# KiCad board led_mapper_850.kicad_pcb (continued)
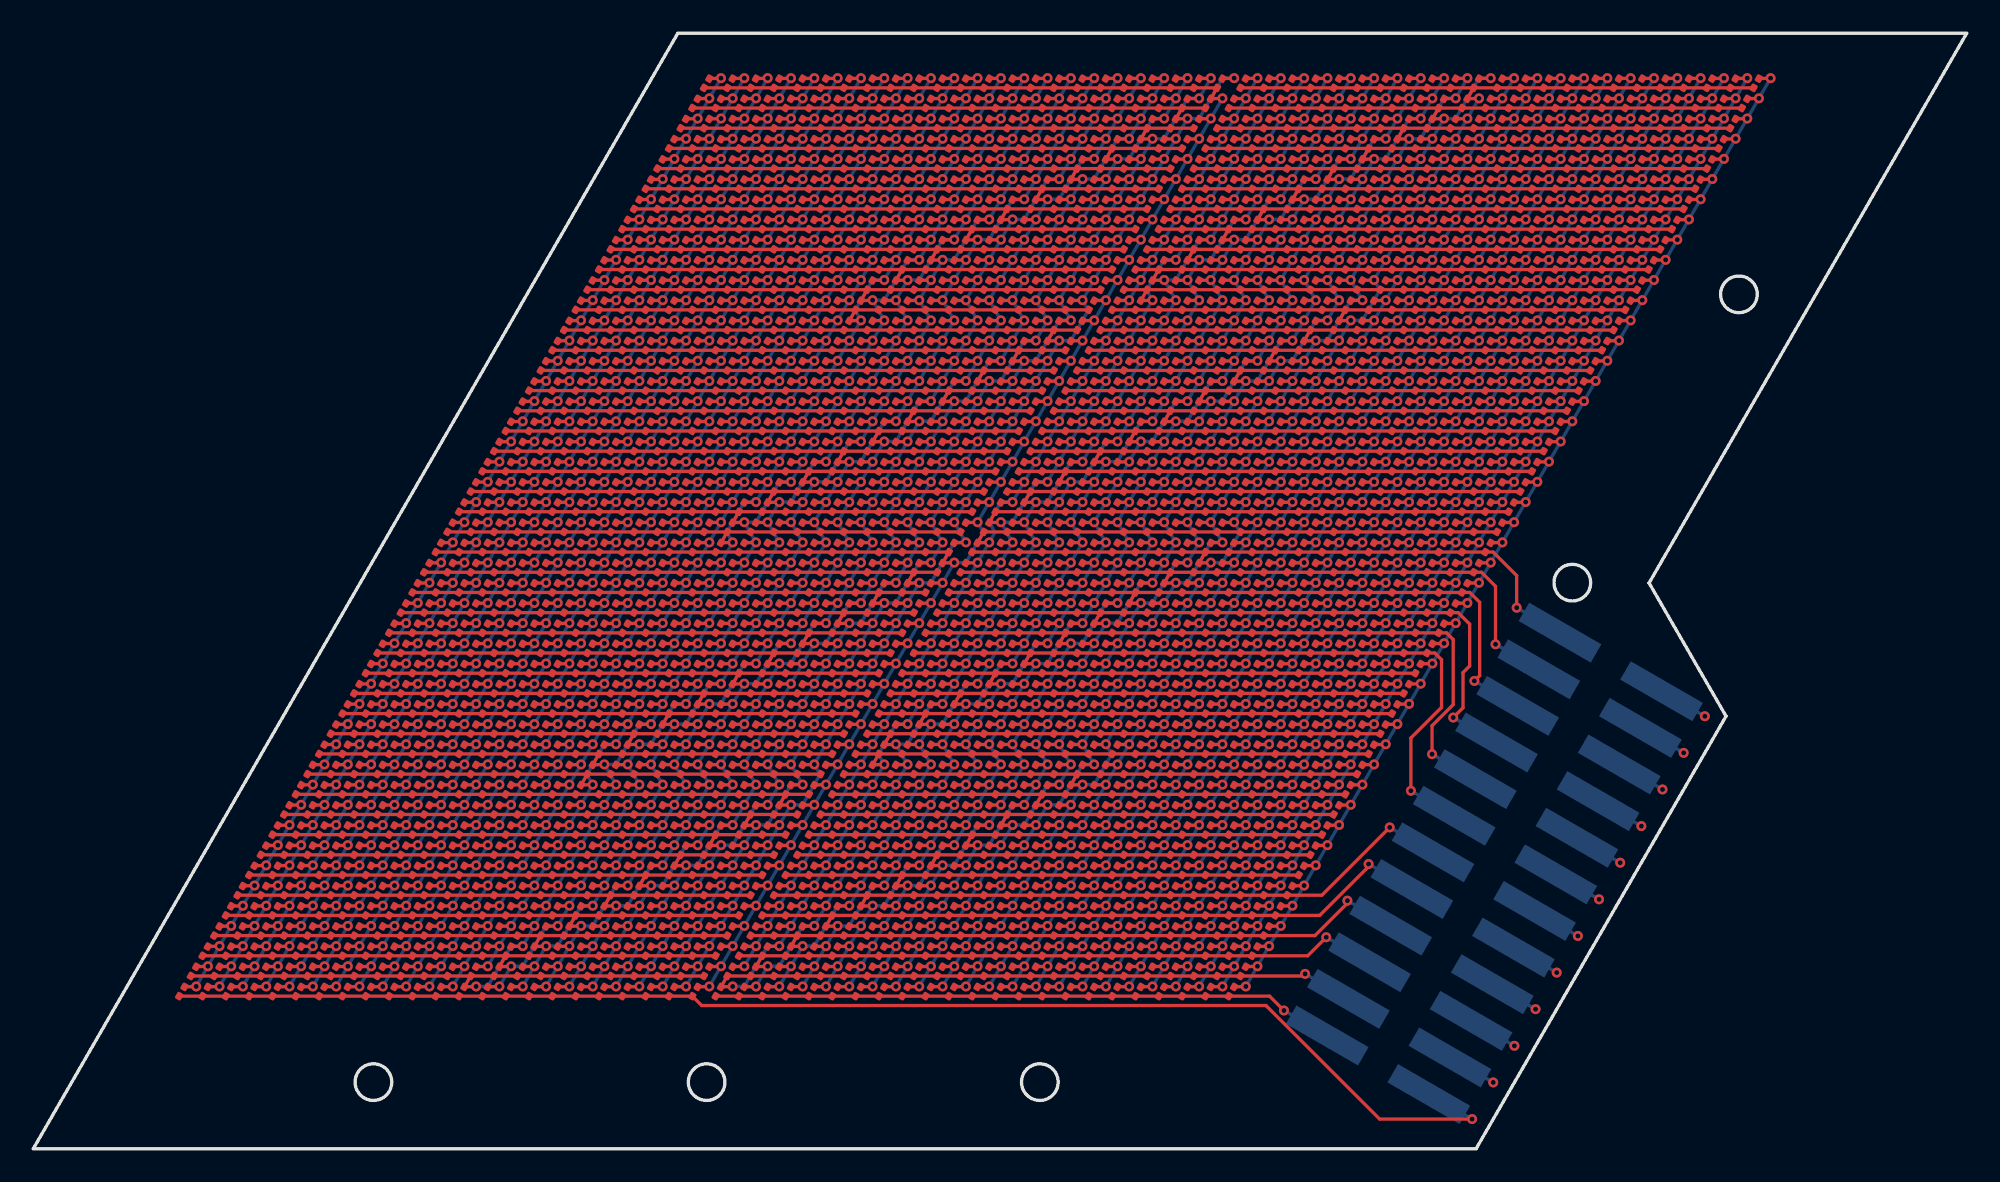
[diagram p0: board, top side]
## Placement (name value [footprint] x y rotation side) (continued)
D788  LED  [LED_0201_0603Metric_XINGLIGHT]  52.31 43.39 60 top
D789  LED  [LED_0201_0603Metric_XINGLIGHT]  50.91 43.39 60 top
D790  LED  [LED_0201_0603Metric_XINGLIGHT]  49.51 43.39 60 top
D791  LED  [LED_0201_0603Metric_XINGLIGHT]  48.11 43.39 60 top
D792  LED  [LED_0201_0603Metric_XINGLIGHT]  46.71 43.39 60 top
D793  LED  [LED_0201_0603Metric_XINGLIGHT]  45.31 43.39 60 top
D794  LED  [LED_0201_0603Metric_XINGLIGHT]  43.91 43.39 60 top
D795  LED  [LED_0201_0603Metric_XINGLIGHT]  42.51 43.39 60 top
D796  LED  [LED_0201_0603Metric_XINGLIGHT]  41.11 43.39 60 top
D797  LED  [LED_0201_0603Metric_XINGLIGHT]  39.71 43.39 60 top
D798  LED  [LED_0201_0603Metric_XINGLIGHT]  38.31 43.39 60 top
D799  LED  [LED_0201_0603Metric_XINGLIGHT]  36.91 43.39 60 top
D800  LED  [LED_0201_0603Metric_XINGLIGHT]  35.51 43.39 60 top
D801  LED  [LED_0201_0603Metric_XINGLIGHT]  34.11 43.39 60 top
D802  LED  [LED_0201_0603Metric_XINGLIGHT]  32.71 43.39 60 top
D803  LED  [LED_0201_0603Metric_XINGLIGHT]  31.31 43.39 60 top
D804  LED  [LED_0201_0603Metric_XINGLIGHT]  29.91 43.39 60 top
D805  LED  [LED_0201_0603Metric_XINGLIGHT]  28.51 43.39 60 top
D806  LED  [LED_0201_0603Metric_XINGLIGHT]  92.21 44.6 60 top
D807  LED  [LED_0201_0603Metric_XINGLIGHT]  90.81 44.6 60 top
D808  LED  [LED_0201_0603Metric_XINGLIGHT]  89.41 44.6 60 top
D809  LED  [LED_0201_0603Metric_XINGLIGHT]  88.01 44.6 60 top
D810  LED  [LED_0201_0603Metric_XINGLIGHT]  86.61 44.6 60 top
D811  LED  [LED_0201_0603Metric_XINGLIGHT]  85.21 44.6 60 top
D812  LED  [LED_0201_0603Metric_XINGLIGHT]  83.81 44.6 60 top
D813  LED  [LED_0201_0603Metric_XINGLIGHT]  82.41 44.6 60 top
D814  LED  [LED_0201_0603Metric_XINGLIGHT]  81.01 44.6 60 top
D815  LED  [LED_0201_0603Metric_XINGLIGHT]  79.61 44.6 60 top
D816  LED  [LED_0201_0603Metric_XINGLIGHT]  78.21 44.6 60 top
D817  LED  [LED_0201_0603Metric_XINGLIGHT]  76.81 44.6 60 top
D818  LED  [LED_0201_0603Metric_XINGLIGHT]  75.41 44.6 60 top
D819  LED  [LED_0201_0603Metric_XINGLIGHT]  74.01 44.6 60 top
D820  LED  [LED_0201_0603Metric_XINGLIGHT]  72.61 44.6 60 top
D821  LED  [LED_0201_0603Metric_XINGLIGHT]  71.21 44.6 60 top
D822  LED  [LED_0201_0603Metric_XINGLIGHT]  69.81 44.6 60 top
D823  LED  [LED_0201_0603Metric_XINGLIGHT]  68.41 44.6 60 top
D824  LED  [LED_0201_0603Metric_XINGLIGHT]  67.01 44.6 60 top
D825  LED  [LED_0201_0603Metric_XINGLIGHT]  65.61 44.6 60 top
D826  LED  [LED_0201_0603Metric_XINGLIGHT]  64.21 44.6 60 top
D827  LED  [LED_0201_0603Metric_XINGLIGHT]  62.81 44.6 60 top
D828  LED  [LED_0201_0603Metric_XINGLIGHT]  61.41 44.6 60 top
D829  LED  [LED_0201_0603Metric_XINGLIGHT]  60.01 44.6 60 top
D830  LED  [LED_0201_0603Metric_XINGLIGHT]  58.61 44.6 60 top
D831  LED  [LED_0201_0603Metric_XINGLIGHT]  57.21 44.6 60 top
D832  LED  [LED_0201_0603Metric_XINGLIGHT]  55.81 44.6 60 top
D833  LED  [LED_0201_0603Metric_XINGLIGHT]  54.41 44.6 60 top
D834  LED  [LED_0201_0603Metric_XINGLIGHT]  53.01 44.6 60 top
D835  LED  [LED_0201_0603Metric_XINGLIGHT]  51.61 44.6 60 top
D836  LED  [LED_0201_0603Metric_XINGLIGHT]  50.21 44.6 60 top
D837  LED  [LED_0201_0603Metric_XINGLIGHT]  48.81 44.6 60 top
D838  LED  [LED_0201_0603Metric_XINGLIGHT]  47.41 44.6 60 top
D839  LED  [LED_0201_0603Metric_XINGLIGHT]  46.01 44.6 60 top
D840  LED  [LED_0201_0603Metric_XINGLIGHT]  44.61 44.6 60 top
D841  LED  [LED_0201_0603Metric_XINGLIGHT]  43.21 44.6 60 top
D842  LED  [LED_0201_0603Metric_XINGLIGHT]  41.81 44.6 60 top
D843  LED  [LED_0201_0603Metric_XINGLIGHT]  40.41 44.6 60 top
D844  LED  [LED_0201_0603Metric_XINGLIGHT]  39.01 44.6 60 top
D845  LED  [LED_0201_0603Metric_XINGLIGHT]  37.61 44.6 60 top
D846  LED  [LED_0201_0603Metric_XINGLIGHT]  36.21 44.6 60 top
D847  LED  [LED_0201_0603Metric_XINGLIGHT]  34.81 44.6 60 top
D848  LED  [LED_0201_0603Metric_XINGLIGHT]  33.41 44.6 60 top
D849  LED  [LED_0201_0603Metric_XINGLIGHT]  32.01 44.6 60 top
D850  LED  [LED_0201_0603Metric_XINGLIGHT]  30.61 44.6 60 top
D851  LED  [LED_0201_0603Metric_XINGLIGHT]  29.21 44.6 60 top
D852  LED  [LED_0201_0603Metric_XINGLIGHT]  92.91 45.81 60 top
D853  LED  [LED_0201_0603Metric_XINGLIGHT]  91.51 45.81 60 top
D854  LED  [LED_0201_0603Metric_XINGLIGHT]  90.11 45.81 60 top
D855  LED  [LED_0201_0603Metric_XINGLIGHT]  88.71 45.81 60 top
D856  LED  [LED_0201_0603Metric_XINGLIGHT]  87.31 45.81 60 top
D857  LED  [LED_0201_0603Metric_XINGLIGHT]  85.91 45.81 60 top
D858  LED  [LED_0201_0603Metric_XINGLIGHT]  84.51 45.81 60 top
D859  LED  [LED_0201_0603Metric_XINGLIGHT]  83.11 45.81 60 top
D860  LED  [LED_0201_0603Metric_XINGLIGHT]  81.71 45.81 60 top
D861  LED  [LED_0201_0603Metric_XINGLIGHT]  80.31 45.81 60 top
D862  LED  [LED_0201_0603Metric_XINGLIGHT]  78.91 45.81 60 top
D863  LED  [LED_0201_0603Metric_XINGLIGHT]  77.51 45.81 60 top
D864  LED  [LED_0201_0603Metric_XINGLIGHT]  76.11 45.81 60 top
D865  LED  [LED_0201_0603Metric_XINGLIGHT]  74.71 45.81 60 top
D866  LED  [LED_0201_0603Metric_XINGLIGHT]  73.31 45.81 60 top
D867  LED  [LED_0201_0603Metric_XINGLIGHT]  71.91 45.81 60 top
D868  LED  [LED_0201_0603Metric_XINGLIGHT]  70.51 45.81 60 top
D869  LED  [LED_0201_0603Metric_XINGLIGHT]  69.11 45.81 60 top
D870  LED  [LED_0201_0603Metric_XINGLIGHT]  67.71 45.81 60 top
D871  LED  [LED_0201_0603Metric_XINGLIGHT]  66.31 45.81 60 top
D872  LED  [LED_0201_0603Metric_XINGLIGHT]  64.91 45.81 60 top
D873  LED  [LED_0201_0603Metric_XINGLIGHT]  63.51 45.81 60 top
D874  LED  [LED_0201_0603Metric_XINGLIGHT]  62.11 45.81 60 top
D875  LED  [LED_0201_0603Metric_XINGLIGHT]  60.71 45.81 60 top
D876  LED  [LED_0201_0603Metric_XINGLIGHT]  59.31 45.81 60 top
D877  LED  [LED_0201_0603Metric_XINGLIGHT]  57.91 45.81 60 top
D878  LED  [LED_0201_0603Metric_XINGLIGHT]  56.51 45.81 60 top
D879  LED  [LED_0201_0603Metric_XINGLIGHT]  55.11 45.81 60 top
D880  LED  [LED_0201_0603Metric_XINGLIGHT]  53.71 45.81 60 top
D881  LED  [LED_0201_0603Metric_XINGLIGHT]  52.31 45.81 60 top
D882  LED  [LED_0201_0603Metric_XINGLIGHT]  50.91 45.81 60 top
D883  LED  [LED_0201_0603Metric_XINGLIGHT]  49.51 45.81 60 top
D884  LED  [LED_0201_0603Metric_XINGLIGHT]  48.11 45.81 60 top
D885  LED  [LED_0201_0603Metric_XINGLIGHT]  46.71 45.81 60 top
D886  LED  [LED_0201_0603Metric_XINGLIGHT]  45.31 45.81 60 top
D887  LED  [LED_0201_0603Metric_XINGLIGHT]  43.91 45.81 60 top
D888  LED  [LED_0201_0603Metric_XINGLIGHT]  42.51 45.81 60 top
D889  LED  [LED_0201_0603Metric_XINGLIGHT]  41.11 45.81 60 top
D890  LED  [LED_0201_0603Metric_XINGLIGHT]  39.71 45.81 60 top
D891  LED  [LED_0201_0603Metric_XINGLIGHT]  38.31 45.81 60 top
D892  LED  [LED_0201_0603Metric_XINGLIGHT]  36.91 45.81 60 top
D893  LED  [LED_0201_0603Metric_XINGLIGHT]  35.51 45.81 60 top
D894  LED  [LED_0201_0603Metric_XINGLIGHT]  34.11 45.81 60 top
D895  LED  [LED_0201_0603Metric_XINGLIGHT]  32.71 45.81 60 top
D896  LED  [LED_0201_0603Metric_XINGLIGHT]  31.31 45.81 60 top
D897  LED  [LED_0201_0603Metric_XINGLIGHT]  29.91 45.81 60 top
D898  LED  [LED_0201_0603Metric_XINGLIGHT]  93.61 47.03 60 top
D899  LED  [LED_0201_0603Metric_XINGLIGHT]  92.21 47.03 60 top
D900  LED  [LED_0201_0603Metric_XINGLIGHT]  90.81 47.03 60 top
D901  LED  [LED_0201_0603Metric_XINGLIGHT]  89.41 47.03 60 top
D902  LED  [LED_0201_0603Metric_XINGLIGHT]  88.01 47.03 60 top
D903  LED  [LED_0201_0603Metric_XINGLIGHT]  86.61 47.03 60 top
D904  LED  [LED_0201_0603Metric_XINGLIGHT]  85.21 47.03 60 top
D905  LED  [LED_0201_0603Metric_XINGLIGHT]  83.81 47.03 60 top
D906  LED  [LED_0201_0603Metric_XINGLIGHT]  82.41 47.03 60 top
D907  LED  [LED_0201_0603Metric_XINGLIGHT]  81.01 47.03 60 top
D908  LED  [LED_0201_0603Metric_XINGLIGHT]  79.61 47.03 60 top
D909  LED  [LED_0201_0603Metric_XINGLIGHT]  78.21 47.03 60 top
D910  LED  [LED_0201_0603Metric_XINGLIGHT]  76.81 47.03 60 top
D911  LED  [LED_0201_0603Metric_XINGLIGHT]  75.41 47.03 60 top
D912  LED  [LED_0201_0603Metric_XINGLIGHT]  74.01 47.03 60 top
D913  LED  [LED_0201_0603Metric_XINGLIGHT]  72.61 47.03 60 top
D914  LED  [LED_0201_0603Metric_XINGLIGHT]  71.21 47.03 60 top
D915  LED  [LED_0201_0603Metric_XINGLIGHT]  69.81 47.03 60 top
D916  LED  [LED_0201_0603Metric_XINGLIGHT]  68.41 47.03 60 top
D917  LED  [LED_0201_0603Metric_XINGLIGHT]  67.01 47.03 60 top
D918  LED  [LED_0201_0603Metric_XINGLIGHT]  65.61 47.03 60 top
D919  LED  [LED_0201_0603Metric_XINGLIGHT]  64.21 47.03 60 top
D920  LED  [LED_0201_0603Metric_XINGLIGHT]  62.81 47.03 60 top
D921  LED  [LED_0201_0603Metric_XINGLIGHT]  61.41 47.03 60 top
D922  LED  [LED_0201_0603Metric_XINGLIGHT]  60.01 47.03 60 top
D923  LED  [LED_0201_0603Metric_XINGLIGHT]  58.61 47.03 60 top
D924  LED  [LED_0201_0603Metric_XINGLIGHT]  57.21 47.03 60 top
D925  LED  [LED_0201_0603Metric_XINGLIGHT]  55.81 47.03 60 top
D926  LED  [LED_0201_0603Metric_XINGLIGHT]  54.41 47.03 60 top
D927  LED  [LED_0201_0603Metric_XINGLIGHT]  53.01 47.03 60 top
D928  LED  [LED_0201_0603Metric_XINGLIGHT]  51.61 47.03 60 top
D929  LED  [LED_0201_0603Metric_XINGLIGHT]  50.21 47.03 60 top
D930  LED  [LED_0201_0603Metric_XINGLIGHT]  48.81 47.03 60 top
D931  LED  [LED_0201_0603Metric_XINGLIGHT]  47.41 47.03 60 top
D932  LED  [LED_0201_0603Metric_XINGLIGHT]  46.01 47.03 60 top
D933  LED  [LED_0201_0603Metric_XINGLIGHT]  44.61 47.03 60 top
D934  LED  [LED_0201_0603Metric_XINGLIGHT]  43.21 47.03 60 top
D935  LED  [LED_0201_0603Metric_XINGLIGHT]  41.81 47.03 60 top
D936  LED  [LED_0201_0603Metric_XINGLIGHT]  40.41 47.03 60 top
D937  LED  [LED_0201_0603Metric_XINGLIGHT]  39.01 47.03 60 top
D938  LED  [LED_0201_0603Metric_XINGLIGHT]  37.61 47.03 60 top
D939  LED  [LED_0201_0603Metric_XINGLIGHT]  36.21 47.03 60 top
D940  LED  [LED_0201_0603Metric_XINGLIGHT]  34.81 47.03 60 top
D941  LED  [LED_0201_0603Metric_XINGLIGHT]  33.41 47.03 60 top
D942  LED  [LED_0201_0603Metric_XINGLIGHT]  32.01 47.03 60 top
D943  LED  [LED_0201_0603Metric_XINGLIGHT]  30.61 47.03 60 top
D944  LED  [LED_0201_0603Metric_XINGLIGHT]  94.31 48.24 60 top
D945  LED  [LED_0201_0603Metric_XINGLIGHT]  92.91 48.24 60 top
D946  LED  [LED_0201_0603Metric_XINGLIGHT]  91.51 48.24 60 top
D947  LED  [LED_0201_0603Metric_XINGLIGHT]  90.11 48.24 60 top
D948  LED  [LED_0201_0603Metric_XINGLIGHT]  88.71 48.24 60 top
D949  LED  [LED_0201_0603Metric_XINGLIGHT]  87.31 48.24 60 top
D950  LED  [LED_0201_0603Metric_XINGLIGHT]  85.91 48.24 60 top
D951  LED  [LED_0201_0603Metric_XINGLIGHT]  84.51 48.24 60 top
D952  LED  [LED_0201_0603Metric_XINGLIGHT]  83.11 48.24 60 top
D953  LED  [LED_0201_0603Metric_XINGLIGHT]  81.71 48.24 60 top
D954  LED  [LED_0201_0603Metric_XINGLIGHT]  80.31 48.24 60 top
D955  LED  [LED_0201_0603Metric_XINGLIGHT]  78.91 48.24 60 top
D956  LED  [LED_0201_0603Metric_XINGLIGHT]  77.51 48.24 60 top
D957  LED  [LED_0201_0603Metric_XINGLIGHT]  76.11 48.24 60 top
D958  LED  [LED_0201_0603Metric_XINGLIGHT]  74.71 48.24 60 top
D959  LED  [LED_0201_0603Metric_XINGLIGHT]  73.31 48.24 60 top
D960  LED  [LED_0201_0603Metric_XINGLIGHT]  71.91 48.24 60 top
D961  LED  [LED_0201_0603Metric_XINGLIGHT]  70.51 48.24 60 top
D962  LED  [LED_0201_0603Metric_XINGLIGHT]  69.11 48.24 60 top
D963  LED  [LED_0201_0603Metric_XINGLIGHT]  67.71 48.24 60 top
D964  LED  [LED_0201_0603Metric_XINGLIGHT]  66.31 48.24 60 top
D965  LED  [LED_0201_0603Metric_XINGLIGHT]  64.91 48.24 60 top
D966  LED  [LED_0201_0603Metric_XINGLIGHT]  63.51 48.24 60 top
D967  LED  [LED_0201_0603Metric_XINGLIGHT]  62.11 48.24 60 top
D968  LED  [LED_0201_0603Metric_XINGLIGHT]  60.71 48.24 60 top
D969  LED  [LED_0201_0603Metric_XINGLIGHT]  59.31 48.24 60 top
D970  LED  [LED_0201_0603Metric_XINGLIGHT]  57.91 48.24 60 top
D971  LED  [LED_0201_0603Metric_XINGLIGHT]  56.51 48.24 60 top
D972  LED  [LED_0201_0603Metric_XINGLIGHT]  55.11 48.24 60 top
D973  LED  [LED_0201_0603Metric_XINGLIGHT]  53.71 48.24 60 top
D974  LED  [LED_0201_0603Metric_XINGLIGHT]  52.31 48.24 60 top
D975  LED  [LED_0201_0603Metric_XINGLIGHT]  50.91 48.24 60 top
D976  LED  [LED_0201_0603Metric_XINGLIGHT]  49.51 48.24 60 top
D977  LED  [LED_0201_0603Metric_XINGLIGHT]  48.11 48.24 60 top
D978  LED  [LED_0201_0603Metric_XINGLIGHT]  46.71 48.24 60 top
D979  LED  [LED_0201_0603Metric_XINGLIGHT]  45.31 48.24 60 top
D980  LED  [LED_0201_0603Metric_XINGLIGHT]  43.91 48.24 60 top
D981  LED  [LED_0201_0603Metric_XINGLIGHT]  42.51 48.24 60 top
D982  LED  [LED_0201_0603Metric_XINGLIGHT]  41.11 48.24 60 top
D983  LED  [LED_0201_0603Metric_XINGLIGHT]  39.71 48.24 60 top
D984  LED  [LED_0201_0603Metric_XINGLIGHT]  38.31 48.24 60 top
D985  LED  [LED_0201_0603Metric_XINGLIGHT]  36.91 48.24 60 top
D986  LED  [LED_0201_0603Metric_XINGLIGHT]  35.51 48.24 60 top
D987  LED  [LED_0201_0603Metric_XINGLIGHT]  34.11 48.24 60 top
D988  LED  [LED_0201_0603Metric_XINGLIGHT]  32.71 48.24 60 top
D989  LED  [LED_0201_0603Metric_XINGLIGHT]  31.31 48.24 60 top
D990  LED  [LED_0201_0603Metric_XINGLIGHT]  95.01 49.45 60 top
D991  LED  [LED_0201_0603Metric_XINGLIGHT]  93.61 49.45 60 top
D992  LED  [LED_0201_0603Metric_XINGLIGHT]  92.21 49.45 60 top
D993  LED  [LED_0201_0603Metric_XINGLIGHT]  90.81 49.45 60 top
D994  LED  [LED_0201_0603Metric_XINGLIGHT]  89.41 49.45 60 top
D995  LED  [LED_0201_0603Metric_XINGLIGHT]  88.01 49.45 60 top
D996  LED  [LED_0201_0603Metric_XINGLIGHT]  86.61 49.45 60 top
D997  LED  [LED_0201_0603Metric_XINGLIGHT]  85.21 49.45 60 top
D998  LED  [LED_0201_0603Metric_XINGLIGHT]  83.81 49.45 60 top
D999  LED  [LED_0201_0603Metric_XINGLIGHT]  82.41 49.45 60 top
D1000  LED  [LED_0201_0603Metric_XINGLIGHT]  81.01 49.45 60 top
D1001  LED  [LED_0201_0603Metric_XINGLIGHT]  79.61 49.45 60 top
D1002  LED  [LED_0201_0603Metric_XINGLIGHT]  78.21 49.45 60 top
D1003  LED  [LED_0201_0603Metric_XINGLIGHT]  76.81 49.45 60 top
D1004  LED  [LED_0201_0603Metric_XINGLIGHT]  75.41 49.45 60 top
D1005  LED  [LED_0201_0603Metric_XINGLIGHT]  74.01 49.45 60 top
D1006  LED  [LED_0201_0603Metric_XINGLIGHT]  72.61 49.45 60 top
D1007  LED  [LED_0201_0603Metric_XINGLIGHT]  71.21 49.45 60 top
D1008  LED  [LED_0201_0603Metric_XINGLIGHT]  69.81 49.45 60 top
D1009  LED  [LED_0201_0603Metric_XINGLIGHT]  68.41 49.45 60 top
D1010  LED  [LED_0201_0603Metric_XINGLIGHT]  67.01 49.45 60 top
D1011  LED  [LED_0201_0603Metric_XINGLIGHT]  65.61 49.45 60 top
D1012  LED  [LED_0201_0603Metric_XINGLIGHT]  64.21 49.45 60 top
D1013  LED  [LED_0201_0603Metric_XINGLIGHT]  62.81 49.45 60 top
D1014  LED  [LED_0201_0603Metric_XINGLIGHT]  61.41 49.45 60 top
D1015  LED  [LED_0201_0603Metric_XINGLIGHT]  60.01 49.45 60 top
D1016  LED  [LED_0201_0603Metric_XINGLIGHT]  58.61 49.45 60 top
D1017  LED  [LED_0201_0603Metric_XINGLIGHT]  57.21 49.45 60 top
D1018  LED  [LED_0201_0603Metric_XINGLIGHT]  55.81 49.45 60 top
D1019  LED  [LED_0201_0603Metric_XINGLIGHT]  54.41 49.45 60 top
D1020  LED  [LED_0201_0603Metric_XINGLIGHT]  53.01 49.45 60 top
D1021  LED  [LED_0201_0603Metric_XINGLIGHT]  51.61 49.45 60 top
D1022  LED  [LED_0201_0603Metric_XINGLIGHT]  50.21 49.45 60 top
D1023  LED  [LED_0201_0603Metric_XINGLIGHT]  48.81 49.45 60 top
D1024  LED  [LED_0201_0603Metric_XINGLIGHT]  47.41 49.45 60 top
D1025  LED  [LED_0201_0603Metric_XINGLIGHT]  46.01 49.45 60 top
D1026  LED  [LED_0201_0603Metric_XINGLIGHT]  44.61 49.45 60 top
D1027  LED  [LED_0201_0603Metric_XINGLIGHT]  43.21 49.45 60 top
D1028  LED  [LED_0201_0603Metric_XINGLIGHT]  41.81 49.45 60 top
D1029  LED  [LED_0201_0603Metric_XINGLIGHT]  40.41 49.45 60 top
D1030  LED  [LED_0201_0603Metric_XINGLIGHT]  39.01 49.45 60 top
D1031  LED  [LED_0201_0603Metric_XINGLIGHT]  37.61 49.45 60 top
D1032  LED  [LED_0201_0603Metric_XINGLIGHT]  36.21 49.45 60 top
D1033  LED  [LED_0201_0603Metric_XINGLIGHT]  34.81 49.45 60 top
D1034  LED  [LED_0201_0603Metric_XINGLIGHT]  33.41 49.45 60 top
D1035  LED  [LED_0201_0603Metric_XINGLIGHT]  32.01 49.45 60 top
D1036  LED  [LED_0201_0603Metric_XINGLIGHT]  95.71 50.66 60 top
D1037  LED  [LED_0201_0603Metric_XINGLIGHT]  94.31 50.66 60 top
D1038  LED  [LED_0201_0603Metric_XINGLIGHT]  92.91 50.66 60 top
D1039  LED  [LED_0201_0603Metric_XINGLIGHT]  91.51 50.66 60 top
D1040  LED  [LED_0201_0603Metric_XINGLIGHT]  90.11 50.66 60 top
D1041  LED  [LED_0201_0603Metric_XINGLIGHT]  88.71 50.66 60 top
D1042  LED  [LED_0201_0603Metric_XINGLIGHT]  87.31 50.66 60 top
D1043  LED  [LED_0201_0603Metric_XINGLIGHT]  85.91 50.66 60 top
D1044  LED  [LED_0201_0603Metric_XINGLIGHT]  84.51 50.66 60 top
D1045  LED  [LED_0201_0603Metric_XINGLIGHT]  83.11 50.66 60 top
D1046  LED  [LED_0201_0603Metric_XINGLIGHT]  81.71 50.66 60 top
D1047  LED  [LED_0201_0603Metric_XINGLIGHT]  80.31 50.66 60 top
D1048  LED  [LED_0201_0603Metric_XINGLIGHT]  78.91 50.66 60 top
D1049  LED  [LED_0201_0603Metric_XINGLIGHT]  77.51 50.66 60 top
D1050  LED  [LED_0201_0603Metric_XINGLIGHT]  76.11 50.66 60 top
D1051  LED  [LED_0201_0603Metric_XINGLIGHT]  74.71 50.66 60 top
D1052  LED  [LED_0201_0603Metric_XINGLIGHT]  73.31 50.66 60 top
D1053  LED  [LED_0201_0603Metric_XINGLIGHT]  71.91 50.66 60 top
D1054  LED  [LED_0201_0603Metric_XINGLIGHT]  70.51 50.66 60 top
D1055  LED  [LED_0201_0603Metric_XINGLIGHT]  69.11 50.66 60 top
D1056  LED  [LED_0201_0603Metric_XINGLIGHT]  67.71 50.66 60 top
D1057  LED  [LED_0201_0603Metric_XINGLIGHT]  66.31 50.66 60 top
D1058  LED  [LED_0201_0603Metric_XINGLIGHT]  64.91 50.66 60 top
D1059  LED  [LED_0201_0603Metric_XINGLIGHT]  24.31 36.11 60 top
D1060  LED  [LED_0201_0603Metric_XINGLIGHT]  25.71 36.11 60 top
D1061  LED  [LED_0201_0603Metric_XINGLIGHT]  27.11 36.11 60 top
D1062  LED  [LED_0201_0603Metric_XINGLIGHT]  28.51 36.11 60 top
D1063  LED  [LED_0201_0603Metric_XINGLIGHT]  29.91 36.11 60 top
D1064  LED  [LED_0201_0603Metric_XINGLIGHT]  31.31 36.11 60 top
D1065  LED  [LED_0201_0603Metric_XINGLIGHT]  32.71 36.11 60 top
D1066  LED  [LED_0201_0603Metric_XINGLIGHT]  34.11 36.11 60 top
D1067  LED  [LED_0201_0603Metric_XINGLIGHT]  35.51 36.11 60 top
D1068  LED  [LED_0201_0603Metric_XINGLIGHT]  36.91 36.11 60 top
D1069  LED  [LED_0201_0603Metric_XINGLIGHT]  38.31 36.11 60 top
D1070  LED  [LED_0201_0603Metric_XINGLIGHT]  39.71 36.11 60 top
D1071  LED  [LED_0201_0603Metric_XINGLIGHT]  41.11 36.11 60 top
D1072  LED  [LED_0201_0603Metric_XINGLIGHT]  42.51 36.11 60 top
D1073  LED  [LED_0201_0603Metric_XINGLIGHT]  43.91 36.11 60 top
D1074  LED  [LED_0201_0603Metric_XINGLIGHT]  45.31 36.11 60 top
D1075  LED  [LED_0201_0603Metric_XINGLIGHT]  46.71 36.11 60 top
D1076  LED  [LED_0201_0603Metric_XINGLIGHT]  48.11 36.11 60 top
D1077  LED  [LED_0201_0603Metric_XINGLIGHT]  49.51 36.11 60 top
D1078  LED  [LED_0201_0603Metric_XINGLIGHT]  50.91 36.11 60 top
D1079  LED  [LED_0201_0603Metric_XINGLIGHT]  52.31 36.11 60 top
D1080  LED  [LED_0201_0603Metric_XINGLIGHT]  53.71 36.11 60 top
D1081  LED  [LED_0201_0603Metric_XINGLIGHT]  55.11 36.11 60 top
D1082  LED  [LED_0201_0603Metric_XINGLIGHT]  56.51 36.11 60 top
D1083  LED  [LED_0201_0603Metric_XINGLIGHT]  57.91 36.11 60 top
D1084  LED  [LED_0201_0603Metric_XINGLIGHT]  59.31 36.11 60 top
D1085  LED  [LED_0201_0603Metric_XINGLIGHT]  60.71 36.11 60 top
D1086  LED  [LED_0201_0603Metric_XINGLIGHT]  62.11 36.11 60 top
D1087  LED  [LED_0201_0603Metric_XINGLIGHT]  63.51 36.11 60 top
D1088  LED  [LED_0201_0603Metric_XINGLIGHT]  64.91 36.11 60 top
D1089  LED  [LED_0201_0603Metric_XINGLIGHT]  66.31 36.11 60 top
D1090  LED  [LED_0201_0603Metric_XINGLIGHT]  67.71 36.11 60 top
D1091  LED  [LED_0201_0603Metric_XINGLIGHT]  69.11 36.11 60 top
D1092  LED  [LED_0201_0603Metric_XINGLIGHT]  70.51 36.11 60 top
D1093  LED  [LED_0201_0603Metric_XINGLIGHT]  71.91 36.11 60 top
D1094  LED  [LED_0201_0603Metric_XINGLIGHT]  73.31 36.11 60 top
D1095  LED  [LED_0201_0603Metric_XINGLIGHT]  74.71 36.11 60 top
D1096  LED  [LED_0201_0603Metric_XINGLIGHT]  76.11 36.11 60 top
D1097  LED  [LED_0201_0603Metric_XINGLIGHT]  77.51 36.11 60 top
D1098  LED  [LED_0201_0603Metric_XINGLIGHT]  78.91 36.11 60 top
D1099  LED  [LED_0201_0603Metric_XINGLIGHT]  80.31 36.11 60 top
D1100  LED  [LED_0201_0603Metric_XINGLIGHT]  81.71 36.11 60 top
D1101  LED  [LED_0201_0603Metric_XINGLIGHT]  83.11 36.11 60 top
D1102  LED  [LED_0201_0603Metric_XINGLIGHT]  84.51 36.11 60 top
D1103  LED  [LED_0201_0603Metric_XINGLIGHT]  85.91 36.11 60 top
D1104  LED  [LED_0201_0603Metric_XINGLIGHT]  87.31 36.11 60 top
D1105  LED  [LED_0201_0603Metric_XINGLIGHT]  23.61 34.9 60 top
D1106  LED  [LED_0201_0603Metric_XINGLIGHT]  25.01 34.9 60 top
D1107  LED  [LED_0201_0603Metric_XINGLIGHT]  26.41 34.9 60 top
D1108  LED  [LED_0201_0603Metric_XINGLIGHT]  27.81 34.9 60 top
D1109  LED  [LED_0201_0603Metric_XINGLIGHT]  29.21 34.9 60 top
D1110  LED  [LED_0201_0603Metric_XINGLIGHT]  30.61 34.9 60 top
D1111  LED  [LED_0201_0603Metric_XINGLIGHT]  32.01 34.9 60 top
D1112  LED  [LED_0201_0603Metric_XINGLIGHT]  33.41 34.9 60 top
D1113  LED  [LED_0201_0603Metric_XINGLIGHT]  34.81 34.9 60 top
D1114  LED  [LED_0201_0603Metric_XINGLIGHT]  36.21 34.9 60 top
D1115  LED  [LED_0201_0603Metric_XINGLIGHT]  37.61 34.9 60 top
D1116  LED  [LED_0201_0603Metric_XINGLIGHT]  39.01 34.9 60 top
D1117  LED  [LED_0201_0603Metric_XINGLIGHT]  40.41 34.9 60 top
D1118  LED  [LED_0201_0603Metric_XINGLIGHT]  41.81 34.9 60 top
D1119  LED  [LED_0201_0603Metric_XINGLIGHT]  43.21 34.9 60 top
D1120  LED  [LED_0201_0603Metric_XINGLIGHT]  44.61 34.9 60 top
D1121  LED  [LED_0201_0603Metric_XINGLIGHT]  46.01 34.9 60 top
D1122  LED  [LED_0201_0603Metric_XINGLIGHT]  47.41 34.9 60 top
D1123  LED  [LED_0201_0603Metric_XINGLIGHT]  48.81 34.9 60 top
D1124  LED  [LED_0201_0603Metric_XINGLIGHT]  50.21 34.9 60 top
D1125  LED  [LED_0201_0603Metric_XINGLIGHT]  51.61 34.9 60 top
D1126  LED  [LED_0201_0603Metric_XINGLIGHT]  53.01 34.9 60 top
D1127  LED  [LED_0201_0603Metric_XINGLIGHT]  54.41 34.9 60 top
D1128  LED  [LED_0201_0603Metric_XINGLIGHT]  55.81 34.9 60 top
D1129  LED  [LED_0201_0603Metric_XINGLIGHT]  57.21 34.9 60 top
D1130  LED  [LED_0201_0603Metric_XINGLIGHT]  58.61 34.9 60 top
D1131  LED  [LED_0201_0603Metric_XINGLIGHT]  60.01 34.9 60 top
D1132  LED  [LED_0201_0603Metric_XINGLIGHT]  61.41 34.9 60 top
D1133  LED  [LED_0201_0603Metric_XINGLIGHT]  62.81 34.9 60 top
D1134  LED  [LED_0201_0603Metric_XINGLIGHT]  64.21 34.9 60 top
D1135  LED  [LED_0201_0603Metric_XINGLIGHT]  65.61 34.9 60 top
D1136  LED  [LED_0201_0603Metric_XINGLIGHT]  67.01 34.9 60 top
D1137  LED  [LED_0201_0603Metric_XINGLIGHT]  68.41 34.9 60 top
D1138  LED  [LED_0201_0603Metric_XINGLIGHT]  69.81 34.9 60 top
D1139  LED  [LED_0201_0603Metric_XINGLIGHT]  71.21 34.9 60 top
D1140  LED  [LED_0201_0603Metric_XINGLIGHT]  72.61 34.9 60 top
D1141  LED  [LED_0201_0603Metric_XINGLIGHT]  74.01 34.9 60 top
D1142  LED  [LED_0201_0603Metric_XINGLIGHT]  75.41 34.9 60 top
D1143  LED  [LED_0201_0603Metric_XINGLIGHT]  76.81 34.9 60 top
D1144  LED  [LED_0201_0603Metric_XINGLIGHT]  78.21 34.9 60 top
D1145  LED  [LED_0201_0603Metric_XINGLIGHT]  79.61 34.9 60 top
D1146  LED  [LED_0201_0603Metric_XINGLIGHT]  81.01 34.9 60 top
D1147  LED  [LED_0201_0603Metric_XINGLIGHT]  82.41 34.9 60 top
D1148  LED  [LED_0201_0603Metric_XINGLIGHT]  83.81 34.9 60 top
D1149  LED  [LED_0201_0603Metric_XINGLIGHT]  85.21 34.9 60 top
D1150  LED  [LED_0201_0603Metric_XINGLIGHT]  86.61 34.9 60 top
D1151  LED  [LED_0201_0603Metric_XINGLIGHT]  22.91 33.69 60 top
D1152  LED  [LED_0201_0603Metric_XINGLIGHT]  24.31 33.69 60 top
D1153  LED  [LED_0201_0603Metric_XINGLIGHT]  25.71 33.69 60 top
D1154  LED  [LED_0201_0603Metric_XINGLIGHT]  27.11 33.69 60 top
D1155  LED  [LED_0201_0603Metric_XINGLIGHT]  28.51 33.69 60 top
D1156  LED  [LED_0201_0603Metric_XINGLIGHT]  29.91 33.69 60 top
D1157  LED  [LED_0201_0603Metric_XINGLIGHT]  31.31 33.69 60 top
D1158  LED  [LED_0201_0603Metric_XINGLIGHT]  32.71 33.69 60 top
D1159  LED  [LED_0201_0603Metric_XINGLIGHT]  34.11 33.69 60 top
D1160  LED  [LED_0201_0603Metric_XINGLIGHT]  35.51 33.69 60 top
D1161  LED  [LED_0201_0603Metric_XINGLIGHT]  36.91 33.69 60 top
D1162  LED  [LED_0201_0603Metric_XINGLIGHT]  38.31 33.69 60 top
D1163  LED  [LED_0201_0603Metric_XINGLIGHT]  39.71 33.69 60 top
D1164  LED  [LED_0201_0603Metric_XINGLIGHT]  41.11 33.69 60 top
D1165  LED  [LED_0201_0603Metric_XINGLIGHT]  42.51 33.69 60 top
D1166  LED  [LED_0201_0603Metric_XINGLIGHT]  43.91 33.69 60 top
D1167  LED  [LED_0201_0603Metric_XINGLIGHT]  45.31 33.69 60 top
D1168  LED  [LED_0201_0603Metric_XINGLIGHT]  46.71 33.69 60 top
D1169  LED  [LED_0201_0603Metric_XINGLIGHT]  48.11 33.69 60 top
D1170  LED  [LED_0201_0603Metric_XINGLIGHT]  49.51 33.69 60 top
D1171  LED  [LED_0201_0603Metric_XINGLIGHT]  50.91 33.69 60 top
D1172  LED  [LED_0201_0603Metric_XINGLIGHT]  52.31 33.69 60 top
D1173  LED  [LED_0201_0603Metric_XINGLIGHT]  53.71 33.69 60 top
D1174  LED  [LED_0201_0603Metric_XINGLIGHT]  55.11 33.69 60 top
D1175  LED  [LED_0201_0603Metric_XINGLIGHT]  56.51 33.69 60 top
D1176  LED  [LED_0201_0603Metric_XINGLIGHT]  57.91 33.69 60 top
D1177  LED  [LED_0201_0603Metric_XINGLIGHT]  59.31 33.69 60 top
D1178  LED  [LED_0201_0603Metric_XINGLIGHT]  60.71 33.69 60 top
D1179  LED  [LED_0201_0603Metric_XINGLIGHT]  62.11 33.69 60 top
D1180  LED  [LED_0201_0603Metric_XINGLIGHT]  63.51 33.69 60 top
D1181  LED  [LED_0201_0603Metric_XINGLIGHT]  64.91 33.69 60 top